# Altium PCB 自控mos驱动V2.0.PcbDoc
Units mil, origin at the board's own origin, x right, y up, seen from the top; angles counter-clockwise.
Board outline 2720 x 4050 mil, 2 copper layers (Top Layer, Bottom Layer); 104 components, 111 nets, 414 pads, 162 vias.
Unrouted connection lines stored in the file: 2.
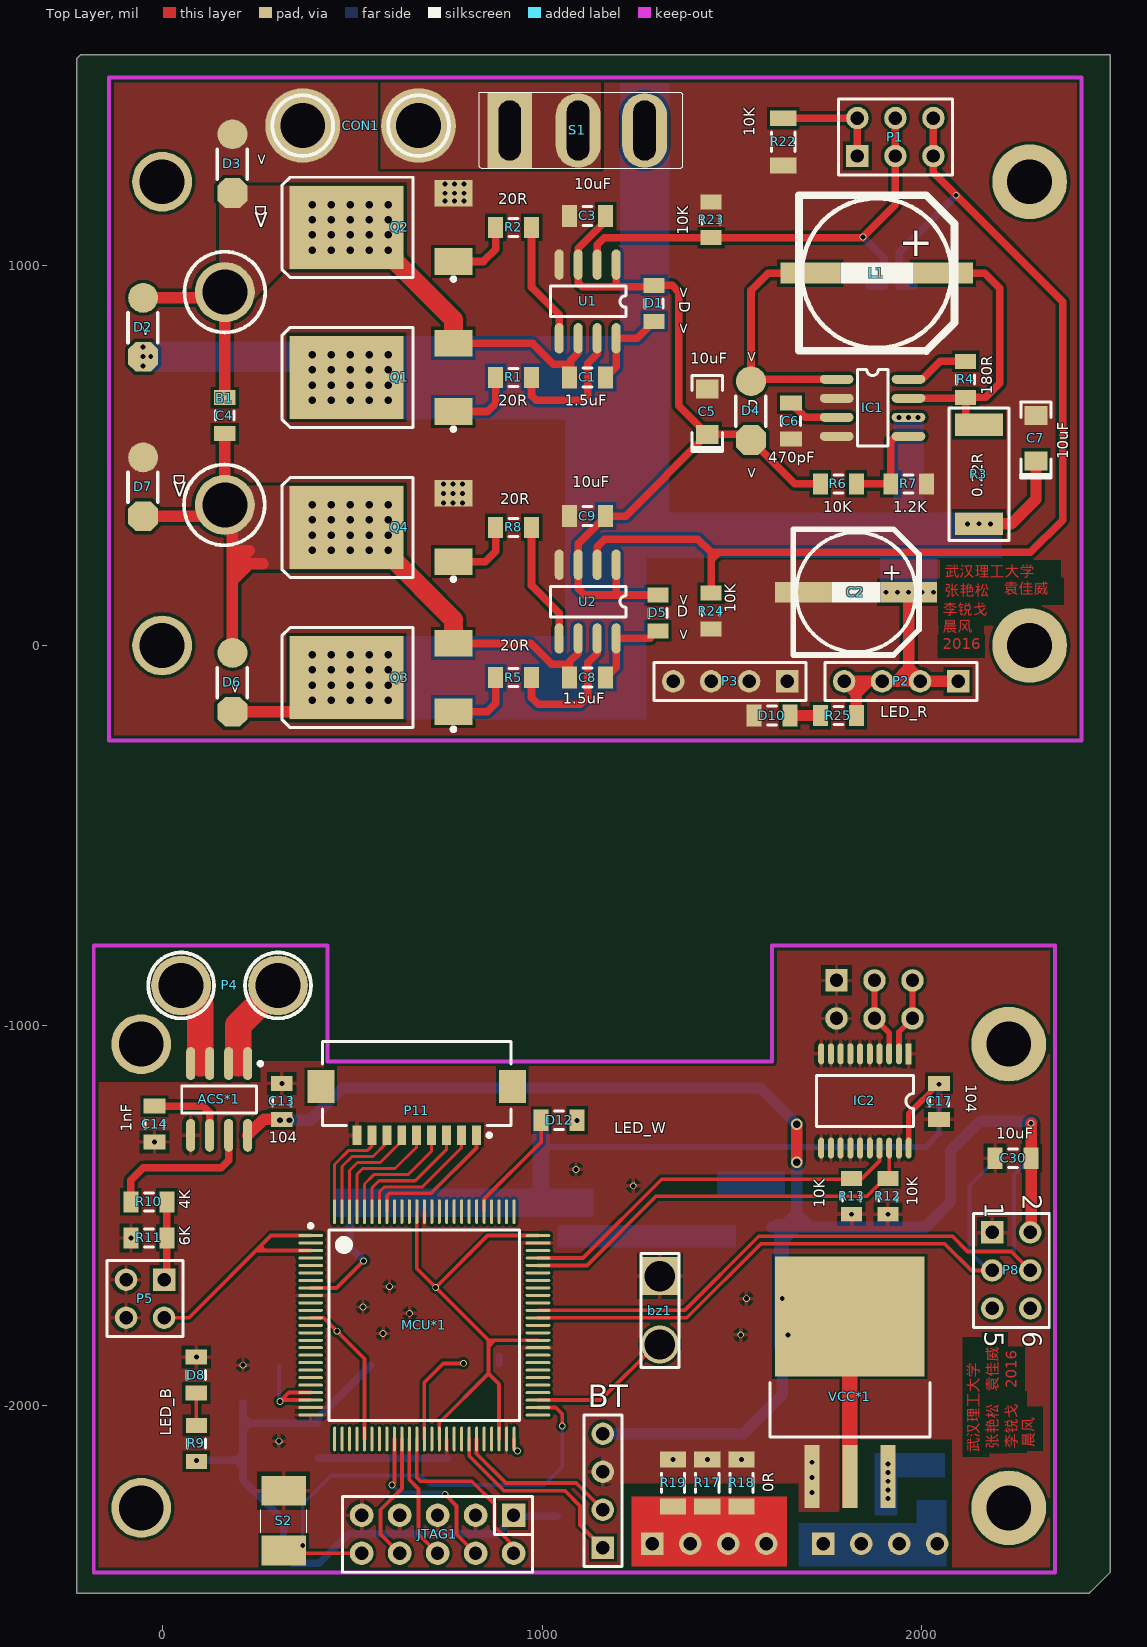
[diagram p0: Top Layer view]
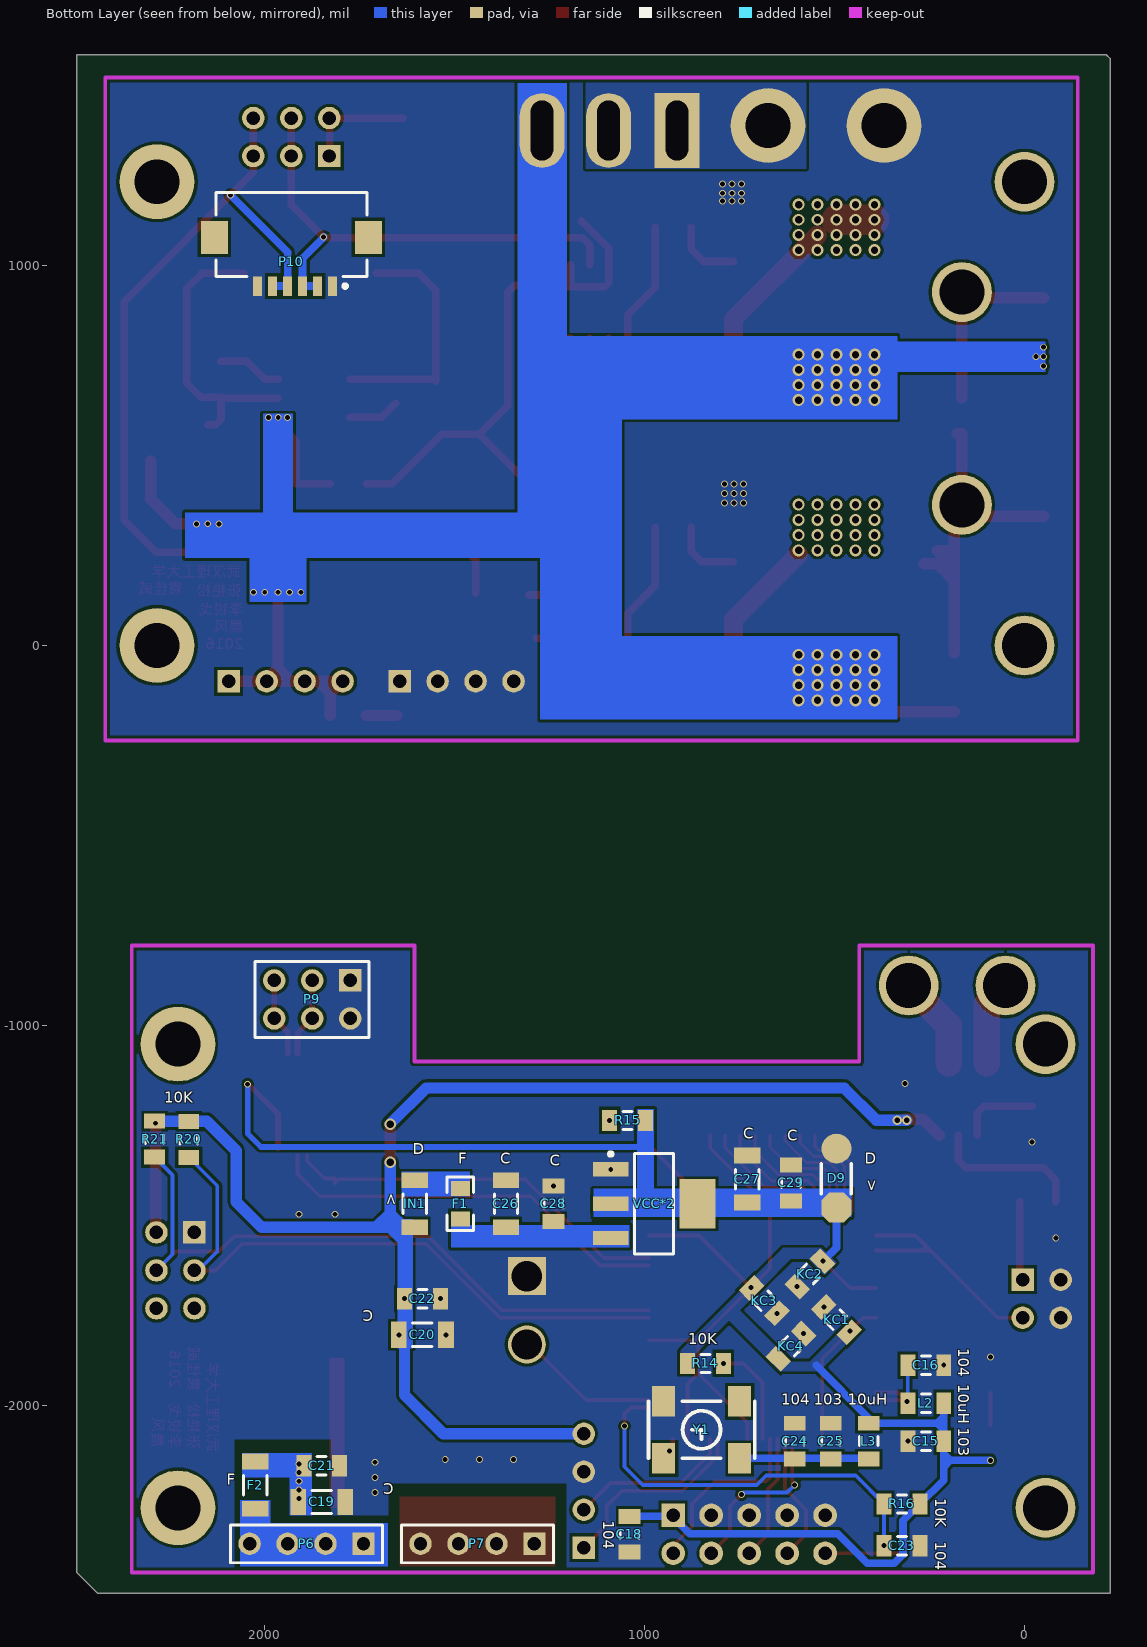
[diagram p1: Bottom Layer view, seen from below]

## Layer stack, top to bottom
Top Layer: signal copper 1.4
Dielectric: dielectric 12.6, FR-4, Dk 4.8
Bottom Layer: signal copper 1.4

## Board outline
-215,1555 -225,1545 -225,-2495 2440,-2495 2450,-2485 2495,-2440 2495,1555

## Design rules (kind name [scope] priority, off if disabled: settings)
Clearance [All] p1: gap=8
PlaneConnect [All] p1: planeconnectstyle=Direct reliefexpansion=20 reliefentries=4 reliefconductorwidth=10 reliefairgap=10
PolygonConnect [All] p1: connectstyle=Direct reliefconductorwidth=10 reliefentries=4 polygonreliefangle="90 Angle" airgapwidth=10
RoutingVias [All] p1: holewidth=28 width=50 viastyle="Through Hole" minholewidth=28 minwidth=50 maxholewidth=28 maxwidth=50
SolderMaskExpansion [All] p1: expansion=4
Width [All] p1: maxlimit=80 minlimit=6 preferedwidth=20 minimp=50.000000 maximp=50.000000 favimp=50.000000
27 further rules are at their usual default settings.

## Classes and differential pairs
component class 自控mosV2.0: B1 C1 C2 C3 C4 C5 C6 C7 C8 C9 CON1 D1 D2 D3 D4 D5 D6 D7 D10 IC1 L1 P1 P2 P3 P10 Q1 Q2 Q3 Q4 R1 R2 R3 R4 R5 R6 R7 R8 R22 R23 R24 R25 S1 U1 U2
component class 主控板加电流检测v2: ACS*1 BT bz1 C13 C14 C15 C16 C17 C18 C19 C20 C21 C22 C23 C24 C25 C26 C27 C28 C29 C30 D8 D9 D12 F1 F2 IC2 IN1 JTAG1 KC1 KC2 KC3 KC4 L2 L3 MCU*1 P4 P5 P6 P7 P8 P9 P11 R9 R10 R11 R12 R13 R14 R15 R16 R17 R18 R19 R20 R21 S2 VCC*1 VCC*2 Y1

## Components (designator, comment, footprint, x,y, rotation, side; value= is the part's Value field where it differs from the comment)
ACS*1 "ACS712 AMPSENSOR" "SOIC1-8N ACS712" 150,-1195 r270 top
B1 "Motor" KF301-2P#1 170,425 r180 top
BT "Header 4" HDR1X4 1160,-2375 r90 top
bz1 "Header 3" HDR1X3 1310,-1650 r270 top
C1 "CAP" C2012 1120,705.47 r0 top
C2 "Cap" SMD-EC-F8 1965,140 r180 top
C3 "Cap Pol1" C2012 1120,1130.47 r180 top
C4 "Cap" C2012 165,605 r270 top
C5 "Cap Pol1" 1206C 1435,615.47 r270 top
C6 "Cap" C2012 1655,590.47 r90 top
C7 "Cap Pol1" 1206C 2300,545.47 r270 top
C8 "Cap" C2012 1120,-84.53 r0 top
C9 "Cap Pol1" C2012 1120,340.47 r180 top
C13 "Cap" C2012 315,-1200 r270 top
C14 "Cap" C2012 -20,-1260 r270 top
C15 "100nF" C2012 260,-2094.53 r180 bottom
C16 "10nF" C2012 260,-1894.53 r0 bottom
C17 "100nF" C2012 2045,-1200 r270 top
C18 "100nF" C2012 1040,-2339.53 r270 bottom
C19 "Cap Pol1" 1206(2) 1850,-2254.53 r180 bottom
C20 "Cap Pol1" 1206(2) 1585,-1814.53 r180 bottom
C21 "Cap" C2012 1850,-2159.53 r0 bottom
C22 "Cap" C2012 1585,-1719.53 r0 bottom
C23 "100nF" C2012 322.76,-2369.53 r0 bottom
C24 "10nF" C2012 605,-2094.53 r270 bottom
C25 "100nF" C2012 510,-2094.53 r270 bottom
C26 "Cap Pol1" 1206(2) 1365,-1469.53 r90 bottom
C27 "Cap Pol1" 1206(2) 730,-1404.53 r90 bottom
C28 "Cap" C2012 1240,-1469.53 r270 bottom
C29 "Cap" C2012 615,-1414.53 r270 bottom
C30 "Cap Pol1" C2012 2240,-1349.53 r180 top
CON1 "PowerIn" KF301-2P#2 525,1368.27 r270 top
D1 "S4" R2012 1295,900.47 r270 top
D2 "SS14" "hole-chip diode" -90,915 r270 top
D3 "SS14" "hole-chip diode" 145,1345.47 r270 top
D4 "SS14" "hole-chip diode" 1510,695.47 r270 top
D5 "S4" R2012 1305,85.47 r270 top
D6 "SS14" "hole-chip diode" 145,-19.53 r270 top
D7 "SS14" "hole-chip diode" -90,495 r270 top
D8 "POWER" C2012 90,-1920.47 r90 top
D9 "1N4729A" "hole-chip diode" 535,-1324.53 r270 bottom
D10 "POWER" C2012 1605,-184.53 r180 top
D12 "POWER" C2012 1045,-1250 r180 top
F1 "300mA" 0805(2012) 1485,-1469.53 r90 bottom
F2 "500mA" 1206(2) 2025,-2210 r90 bottom
IC1 "MC34063" MC34063 1870,625.47 r0 top
IC2 "74LVC245" "74LVC245 TSSOP" 1965,-1075 r270 top
IN1 "1SS355" 1206(2) 1605,-1469.53 r90 bottom
JTAG1 "Header 5X2" IDC5X2 725,-2339.53 r180 top
KC1 "100nF" C2012 495,-1774.53 r225 bottom
KC2 "100nF" C2012 565,-1654.53 r135 bottom
KC3 "100nF" C2012 685,-1724.53 r45 bottom
KC4 "100nF" C2012 615,-1844.53 r315 bottom
L1 "Inductor" SMD-EC-F10 2055,980 r180 top
L2 "Inductor" C2012 260,-1994.53 r0 bottom
L3 "Inductor" C2012 410,-2094.53 r270 bottom
MCU*1 "k60P100" LQFP100 690,-1789.53 r0 top
P1 "Header 3X2" HDR2X3 1830,1288.27 r0 top
P2 "Header 4" HDR1X4 2095,-94.53 r180 top
P3 "Header 4" HDR1X4 1645,-94.53 r180 top
P4 "Header 2" KF301-2P#3 150,-895 r270 top
P5 "Header 2X2" HDR2X2 5,-1669.53 r180 top
P6 "Header 4" HDR1X4 1740,-2364.53 r0 bottom
P7 "Header 4" HDR1X4 1290,-2364.53 r0 bottom
P8 "Header 3X2" HDR2X3 2185,-1545 r270 top
P9 "Header 3X2" HDR2X3 1775,-881.73 r0 bottom
P10 "Header 6" FFC/SM1.0-2H6 1930,1010 r0 bottom
P11 "Header 9" FFC/SM1.0-2H9 670,-1225 r180 top
Q1 "IR7843" LR7843 625,705.47 r0 top
Q2 "IR7843" LR7843 625,1100.47 r0 top
Q3 "IR7843" LR7843 625,-84.53 r0 top
Q4 "IR7843" LR7843 625,310.47 r0 top
R1 "Res2" R2012 925,705.47 r180 top
R2 "Res2" R2012 925,1100.47 r180 top
R3 "Res2" SK54 2150,450.47 r270 top
R4 "Res2" R2012 2115,700.47 r270 top
R5 "Res2" R2012 925,-84.53 r180 top
R6 "Res2" R2012 1780,425.47 r0 top
R7 "Res2" R2012 1965,425.47 r180 top
R8 "Res2" R2012 925,310.47 r180 top
R9 "1K" R2012 90,-2100.47 r270 top
R10 "注意精度" R2012 -35,-1464.53 r0 top
R11 "注意精度" R2012 -35,-1559.53 r0 top
R12 "Res2" R2012 1910,-1450 r270 top
R13 "Res2" R2012 1815,-1450 r270 top
R14 "10K" R2012 840,-1889.53 r180 bottom
R15 "1K" R2012 1045,-1250 r180 bottom
R16 "10K" R2012 322.76,-2259.53 r180 bottom
R17 "Res2" 1206(2) 1435,-2204.53 r90 top
R18 "Res2" 1206(2) 1525,-2204.53 r90 top
R19 "Res2" 1206(2) 1345,-2204.53 r90 top
R20 "Res2" R2012 2200,-1300 r90 bottom
R21 "Res2" R2012 2290,-1299.53 r270 bottom
R22 "Res2" 1206(2) 1635,1325.47 r90 top
R23 "Res2" R2012 1445,1120.47 r270 top
R24 "Res2" R2012 1445,90.47 r90 top
R25 "1K" R2012 1780,-184.53 r0 top
S1 "SW-SPST" SW-125V6A(-) 915,1355.47 r0 top
S2 "SW-PB" "sw 3*4 *2" 260,-2225 r270 top
U1 "IR2104S" IR2104 1120,905.47 r270 top
U2 "IR2104S" IR2104 1120,115.47 r270 top
VCC*1 "LM1086" "DPAK LM2940" 1810,-1939.53 r90 top
VCC*2 "LM1086" lm1117 935,-1454.53 r0 bottom
Y1 "50MHZ" 贴片有源晶体 750,-1989.53 r0 bottom

## Footprints (in the part's own frame and the unit in brackets; to place one, negate y for a bottom-side part, rotate by r counter-clockwise, add the part's x,y. Pads: shape width x height; smd on the part's side, far side on the other; paste and mask are expansions set on the pad)
"74LVC245 TSSOP" [mm]
  rect 1.4x0.4 smd: 1(0,0)
  oval 1.4x0.4 smd: 2(0,-0.65) 3(0,-1.3) 4(0,-1.95) 5(0,-2.6) 6(0,-3.25) 7(0,-3.9) 8(0,-4.55) 9(0,-5.2) 10(0,-5.85) 11(6.3,-5.85) 12(6.3,-5.2) 13(6.3,-4.55) 14(6.3,-3.9) 15(6.3,-3.25) 16(6.3,-2.6) 17(6.3,-1.95) 18(6.3,-1.3) 19(6.3,-0.65) 20(6.3,0)
  silkscreen extent 1.43,-6.18 4.87,0.33
0805(2012) [mil]
  rect 40x50 smd: 1(-40,0) 2(40,0)
  silkscreen extent -70,-35 70,35
1206(2) [mm]
  rect 1.05x1.75 smd: 1(-1.575,0) 2(1.575,0)
  silkscreen extent -0.65,-0.77 0.65,0.77, body extent -1.6,-0.8 1.6,0.8, height 1.6
1206C [mil]
  rect 50x60 smd: 1(60,0) 2(-60,0)
  silkscreen extent -95,-40 105,40
C2012 [mm] "Chip Capacitor, 2-Leads, Body 2.0x1.2mm, IPC Low Density"
  rect 1x1.45 smd: 1(-1.2,0) 2(1.2,0)
  silkscreen extent -0.3,-0.63 0.3,0.63, body extent -0.98,-0.6 1.02,0.6, height 0.5
"DPAK LM2940" [mm] "D2-PAK, 4-Pads, Body 7.93x8.69mm (max), IPC Medium Density"
  rect 4.2x1 smd: 1(-6.3,2.54) 2(-6.3,0) 3(-6.3,-2.54)
  rect 8x10 smd: 4(4.4,0)
  silkscreen extent -3.65,-5.35 0,5.35, body extent -3.65,-5.33 6,5.33, height 4.83
FFC/SM1.0-2H6 [mm] "Connector; FH12 Series; 6 Position; 1.0mm Spaced Bottom Eccentric Contact"
  rect 0.6x1.3 smd: 1(-2.75,1.625) 2(-1.75,1.625) 3(-0.75,1.625) 4(0.25,1.625) 5(1.25,1.625) 6(2.25,1.625)
  rect 1.8x2.2 smd: 7(5.15,-1.625) 8(-5.15,-1.625)
  silkscreen extent -5.05,-4.62 5.05,1.75, body extent -5.05,-4.62 5.05,0.97, height 2
FFC/SM1.0-2H9 [mm] "Connector; FH12 Series; 9 Position; 1.0mm Spaced Bottom Standard Contact"
  rect 0.6x1.3 smd: 1(-4,1.625) 2(-3,1.625) 3(-2,1.625) 4(-1,1.625) 5(0,1.625) 6(1,1.625) 7(2,1.625) 8(3,1.625) 9(4,1.625)
  rect 1.8x2.2 smd: 10(6.4,-1.625) 11(-6.4,-1.625)
  silkscreen extent -6.3,-4.62 6.3,1.75, body extent -6.3,-4.62 6.3,0.97, height 2
HDR1X3 [mil] "Connector; Header; 3 Position"
  rect 100x100 hole 80: 1(10,0)
  round 100 hole 80: 3(190,0)
  silkscreen extent -50,-50 250,50
HDR1X4 [mm] "Connector; Header; 4 Position"
  rect 1.5x1.5 hole 0.9: 1(0,0)
  round 1.5 hole 0.9: 2(2.54,0) 3(5.08,0) 4(7.62,0)
  silkscreen extent -1.27,-1.27 8.89,1.27, body extent -1.27,-1.27 8.89,1.27, height 7.58
HDR2X2 [mm] "Connector; Header; 2x2 Position"
  rect 1.5x1.5 hole 0.9: 1(0,0)
  round 1.5 hole 0.9: 2(0,2.54) 3(2.54,0) 4(2.54,2.54)
  silkscreen extent -1.27,-1.27 3.81,3.81, body extent -1.27,-1.27 3.81,3.81, height 7.58
HDR2X3 [mm] "Connector; Header; 3x2 Position"
  rect 1.5x1.5 hole 0.9: 1(0,0)
  round 1.5 hole 0.9: 2(0,2.54) 3(2.54,0) 4(2.54,2.54) 5(5.08,0) 6(5.08,2.54)
  silkscreen extent -1.27,-1.27 6.35,3.81
"hole-chip diode" [mm]
  round 2 smd: 1(0,1.016)
  oct 2x2 smd: 2(3.937,1.016)
  silkscreen extent 1,0 3,2
IDC5X2 [mil]
  rect 62x62 hole 35: 1(-200,-50)
  round 62 hole 35: 2(-200,50) 3(-100,-50) 4(-100,50) 5(0,-50) 6(0,50) 7(100,-50) 8(100,50) 9(200,-50) 10(200,50)
  silkscreen extent -250,-100 250,100
IR2104 [mil]
  oval 80x23.62 smd: 1(-97,75) 2(-97,25) 3(-97,-25) 4(-97,-75) 5(97,-75) 6(97,-25) 7(97,25) 8(97,75)
  silkscreen extent -40,-98 40,100
KF301-2P#1 [mm]
  round 4 hole 3: 1(0.127,-12.827) 2(0.127,1.397)
  silkscreen extent -2.57,-15.53 2.86,4.1
KF301-2P#2 [mm]
  round 5 hole 3: 1(0,-3.937) 2(0,3.81)
  silkscreen extent -2.03,-5.97 2.03,5.84
KF301-2P#3 [mm]
  round 4 hole 3: 1(0,-2.54) 2(0,3.937)
  silkscreen extent -2.2,-4.74 2.2,6.14
lm1117 [mm]
  rect 2.4x0.95 smd: 1(3.916,-1.919) 2(3.916,0.381) 3(3.916,2.681)
  rect 2.4x3.3 smd: 4(-1.884,0.381)
  silkscreen extent -0.28,-3.07 4.04,3.73, body extent -0.83,-2.97 2.87,3.73, height 1.8
LQFP100 [mm] "SQFP, 100-Leads, Body 14.00x14.00mm, Pitch 0.50mm, IPC Medium Density"
  oval 1.65x0.2 smd: 1(-7.6,6) 2(-7.6,5.5) 3(-7.6,5) 4(-7.6,4.5) 5(-7.6,4) 6(-7.6,3.5) 7(-7.6,3) 8(-7.6,2.5) 9(-7.6,2) 10(-7.6,1.5) 11(-7.6,1) 12(-7.6,0.5) 13(-7.6,0) 14(-7.6,-0.5) 15(-7.6,-1) 16(-7.6,-1.5) 17(-7.6,-2) 18(-7.6,-2.5) 19(-7.6,-3) 20(-7.6,-3.5) 21(-7.6,-4) 22(-7.6,-4.5) 23(-7.6,-5) 24(-7.6,-5.5) 25(-7.6,-6) 51(7.6,-6) 52(7.6,-5.5) 53(7.6,-5) 54(7.6,-4.5) 55(7.6,-4) 56(7.6,-3.5) 57(7.6,-3) 58(7.6,-2.5) 59(7.6,-2) 60(7.6,-1.5) 61(7.6,-1) 62(7.6,-0.5) 63(7.6,0) 64(7.6,0.5) 65(7.6,1) 66(7.6,1.5) 67(7.6,2) 68(7.6,2.5) 69(7.6,3) 70(7.6,3.5) 71(7.6,4) 72(7.6,4.5) 73(7.6,5) 74(7.6,5.5) 75(7.6,6)
  oval 0.2x1.65 smd: 26(-6,-7.6) 27(-5.5,-7.6) 28(-5,-7.6) 29(-4.5,-7.6) 30(-4,-7.6) 31(-3.5,-7.6) 32(-3,-7.6) 33(-2.5,-7.6) 34(-2,-7.6) 35(-1.5,-7.6) 36(-1,-7.6) 37(-0.5,-7.6) 38(0,-7.6) 39(0.5,-7.6) 40(1,-7.6) 41(1.5,-7.6) 42(2,-7.6) 43(2.5,-7.6) 44(3,-7.6) 45(3.5,-7.6) 46(4,-7.6) 47(4.5,-7.6) 48(5,-7.6) 49(5.5,-7.6) 50(6,-7.6) 76(6,7.6) 77(5.5,7.6) 78(5,7.6) 79(4.5,7.6) 80(4,7.6) 81(3.5,7.6) 82(3,7.6) 83(2.5,7.6) 84(2,7.6) 85(1.5,7.6) 86(1,7.6) 87(0.5,7.6) 88(0,7.6) 89(-0.5,7.6) 90(-1,7.6) 91(-1.5,7.6) 92(-2,7.6) 93(-2.5,7.6) 94(-3,7.6) 95(-3.5,7.6) 96(-4,7.6) 97(-4.5,7.6) 98(-5,7.6) 99(-5.5,7.6) 100(-6,7.6)
  silkscreen extent -7.72,-6.38 6.38,6.77, body extent -7,-7 7,7, height 1.7
LR7843 [mm]
  rect 2.54x1.778 smd: 1(3.6,-2.28) 3(3.6,2.28)
  rect 7.6x5.55 smd: 2(-3.556,0)
  silkscreen extent -7.87,-3.58 3.73,3.35
MC34063 [mm]
  oval 2.25x0.6 smd: 1(-2.4,1.905) 2(-2.4,0.635) 3(-2.4,-0.635) 4(-2.4,-1.905) 5(2.4,-1.905) 6(2.4,-0.635) 7(2.4,0.635) 8(2.4,1.905)
  silkscreen extent -1.02,-2.55 1.02,2.55
R2012 [mm] "Chip Resistor, 2-Leads, Body 2.0x1.2mm, IPC Low Density"
  rect 1x1.4 smd: 1(-1.2,0) 2(1.2,0)
  silkscreen extent -0.3,-0.6 0.3,0.6, body extent -0.98,-0.6 1.02,0.6, height 0.5
SK54 [mm]
  rect 1.52x3.18 smd: A(-3.305,0) K(3.305,0)
  silkscreen extent -4.43,-2 4.43,2.01
SMD-EC-F8 [mm]
  rect 3.8x1.4 smd: 1(0,0) 2(7.051,0)
  silkscreen extent -0.69,-4.22 7.71,4.2
SMD-EC-F10 [mm]
  rect 4x1.4 smd: 1(0,0) 2(8.86,0)
  silkscreen extent -0.78,-5.2 9.62,5.2
"SOIC1-8N ACS712" [mm]
  oval 2.2x0.6 smd: 1(-2.4,1.905) 2(-2.4,0.635) 3(-2.4,-0.635) 4(-2.4,-1.905) 5(2.4,-1.905) 6(2.4,-0.635) 7(2.4,0.635) 8(2.4,1.905)
  silkscreen extent -2.52,-2.5 0.9,2.88, body extent -2,-2.5 2,2.5, height 1.75
"sw 3*4 *2" [mm]
  rect 2x3 smd: 1(0,1.524) 2(4,1.524)
  silkscreen extent 1.27,0 2.79,3.05
SW-125V6A(-) [mm]
  rect 3x5 hole 1.5 slot 4 at 90 deg: 0(0,0)
  oval 3x5 hole 1.5 slot 4 at 90 deg: 1(4.572,0) 2(9.017,0)
  silkscreen extent -2.03,-2.54 11.56,2.54
贴片有源晶体 [mil]
  rect 60x80 smd: 1(0,0) 2(200,0) 3(200,150) 4(0,150)
  silkscreen extent -40,0 240,150, body extent -37,-23 238,173, height 74

## Part data
B1: library part "Motor Servo", "Servo Motor"
BT P2 P3 P6 P7: "Header, 4-Pin"
bz1: "Header, 3-Pin"
C1 C15 C16 C17 C18 C23 C24 C25 KC1 KC2 KC3 KC4: library part Cap, "Capacitor"
C2: library part CAP+
C3 C5 C7 C9 C19 C20 C26 C27 C30: "Polarized Capacitor (Radial)"
C4 C6 C8 C13 C14: "Capacitor"
C21 C22 C28 C29: "贴片电容"
CON1: library part "Header 2", "Header, 2-Pin"
D1 D2 D3 D4 D5 D6 D7: library part "Diode 1N4007", "1 Amp General Purpose Rectifier"
D8 D10 D12: library part LED, "Typical INFRARED GaAs LED"
D9 IN1: library part "Diode 1N4148", "High Conductance Fast Diode"
F1 F2: library part "Fuse 1", "Fuse"
JTAG1: "Header, 5-Pin, Dual row"
P1 P8 P9: "Header, 3-Pin, Dual row"
P4: "Header, 2-Pin"
P5: "Header, 2-Pin, Dual row"
P10: "Header, 6-Pin"
P11: "Header, 9-Pin"
Q1 Q2 Q3 Q4: library part NMOS-2, "N-Channel Power MOSFET"
R1 R2 R3 R4 R5 R6 R7 R8 R12 R13 R17 R18 R19 R20 R21 R22 R23 R24: "Resistor"
R9 R14 R15 R25: library part Res, "Resistor of led"
R10 R11: library part Res2, "Resistor"
R16: library part Res, "Resistor"
S1: "Single-Pole, Single-Throw Switch"
S2: "Switch"
U1 U2: library part Component_1_1
Y1: library part XTAL1

## Free pads (board coordinates)
  round 157.48 hole 118.11: ""(-55,-2270) ""(-55,-1049.53) ""(0,0) ""(0,1220.47)
  round 196.85 hole 118.11: ""(2228.46,-2270) ""(2228.46,-1049.53) ""(2283.46,0) ""(2283.46,1220.47)

## Via types
v1: diameter 31.5, hole 19.68, Top Layer to Bottom Layer, 80 vias
v2: diameter 18, hole 13, Top Layer to Bottom Layer, 78 vias
v3: diameter 25, hole 15, Top Layer to Bottom Layer, 2 vias
v4: diameter 30, hole 20, Top Layer to Bottom Layer, 2 vias

## Nets (pads, with @x,y where several pads share a name; then routed paths per layer and width w, separated by ;. In a path a pad name is that pad's centre, name@x,y a point inside that pad or via, vN(x,y) a via of type N, cw(c..) or ccw(c..) an arc to the next point about the centre after c; other vN are vias at no path point)
5V: ACS*1.8 BT.4 C13.2 C20.1 C22.2 C30.1 IN1.1 P8.2 R20.2 R21.1 VCC*1.2 VCC*1.4 | length 3908.8
  Top Layer w30: ACS*1.8 267.24,-1247.24 C13.2 ; v4(1670,-1360) v4(1670,-1260) ; P8.2@2287.24,-1542.76 C30.1 v2(2287.24,-1257.76)
  Bottom Layer w30: v3(310,-1250) v3(335,-1250) 390,-1250 475,-1165 1575,-1165 v4(1670,-1260) ; BT.4 1530,-2075 1632.24,-1972.76 v2(1632.24,-1719.53) ; IN1.1 IN1.1@1633.46,-1531.54 ; 1626.54,-1575 1670,-1531.54 ; v4(1670,-1360) 1670,-1495 ; 1705,-1530 1670,-1495 ; R21.1 2152.72,-1252.28 2075,-1330 2075,-1465 2008.46,-1531.54 1670,-1531.54 ; IN1.1@1633.46,-1531.54 1670,-1531.54 ; IN1.1@1633.46,-1531.54 1670,-1495 ; 1670,-1531.54 1670,-1495
  other v2: 1647.01,-1814.53
12V: C3.1 C5.1 C9.1 D1.1 D4.2 D5.1 R6.1 U1.1 U1.3 U2.1 U2.3 | length 2154.5
  Top Layer w20: C3.1@1167.24,1117.24 1095,1045 U1.3 1095,955 1105.53,944.47 1195,944.47 ; 1195,137.72 U2.1 ; U1.1 1195,944.47 ; D5.1 1112.28,132.72 1095,150 U2.3 1095,268.23 C9.1 1220,340.47 C5.1 ; R6.1 1665,425.47 D4.2 1535,555.47 C5.1 ; 1195,944.47 1291.76,944.47 D1.1 1342.28,947.72 1360,930 1360,630.47 C5.1
EGND: C2.2 C3.2 C5.2 C6.1 C7.2 C9.2 CON1.1 D3.1 D7.1 D10.2 IC1.2 IC1.4 P3.1 P3.2 P3.3 P3.4 P7.1 P7.2 P7.3 P7.4 P10.1 P10.6 Q2.3 Q4.3 R7.1 R17.1 R18.1 R19.1 R22.1 R23.1 R24.1 U1.4 U2.4
  other v2: 740,375 765,375 790,375 740,400 765,400 790,400 740,425 765,425 790,425 745,1170 770,1170 795,1170 745,1190.24 770,1190.24 795,1190.24 745,1215 770,1215 795,1215
GND: ACS*1.5 BT.3 bz1.1 C13.1 C14.2 C15.1 C16.1 C17.2 C18.2 C19.2 C20.2 C21.1 C22.1 C23.1 C24.1 C25.1 C26.2 C27.2 C28.1 C29.1 C30.2 D8.2 D9.1 IC2.1 IC2.4 IC2.5 IC2.6 IC2.7 IC2.8 IC2.9 IC2.10 IC2.11 IC2.12 IC2.13 IC2.14 IC2.15 IC2.16 IC2.19 JTAG1.3 JTAG1.5 JTAG1.7 JTAG1.9 KC1.1 KC2.1 KC3.1 KC4.1 MCU*1.9 MCU*1.24 MCU*1.25 MCU*1.41 MCU*1.49 MCU*1.60 MCU*1.74 MCU*1.88 P5.3 P5.4 P8.1 P9.1 P9.2 P11.9 R11.1 R12.2 R13.2 R17.2 R18.2 R19.2 S2.1 VCC*1.1 VCC*2.1 Y1.2
  other v2: 1710,-2230 1710,-2190 1710,-2150 1345,-2142.52 1435,-2142.52 1525,-2142.52 307.24,-2094.53 212.76,-1894.53 90,-1873.23 1522.99,-1814.53 581.59,-1811.12 651.59,-1757.93 528.41,-1741.12 1537.76,-1719.53 598.41,-1687.93 -82.24,-1559.53 1815,-1497.24 1910,-1497.24 1240,-1422.28 1089.17,-1378.98 -20,-1307.24 315,-1152.76
IN3: ACS*1.1 ACS*1.2 P4.2 | length 248.5
  Top Layer w70: 200,-1100 200,-1000 P4.2
IN4: ACS*1.3 ACS*1.4 P4.1 | length 225.7
  Top Layer w70: P4.1 100,-945 100,-1100
K3.3V: C15.2 C17.1 C18.1 C27.1 C29.2 D9.2 IC2.20 JTAG1.1 KC1.2 KC2.2 KC3.2 KC4.2 L2.1 L3.1 MCU*1.8 MCU*1.12 MCU*1.30 MCU*1.40 MCU*1.48 MCU*1.61 MCU*1.75 MCU*1.89 R9.2 R14.1 R15.2 R16.2 VCC*2.2 VCC*2.4 | length 5356
  Top Layer w10: MCU*1.12 424.84,-1769.84 v2(460,-1805) 532.52,-1877.52 MCU*1.30 ; MCU*1.8 458.9,-1691.1 v2(530,-1620) ; MCU*1.89 670.32,-1640.32 v2(720,-1690) ; MCU*1.40 729.37,-2046.01 858.9,-1916.48 ; MCU*1.48 886.85,-1944.43 858.9,-1916.48 ; MCU*1.61 875,-1828.9 ; MCU*1.75 856.69,-1553.31 v2(720,-1690) ; v2(720,-1690) 858.9,-1828.9 ; 858.9,-1916.48 858.9,-1845 ; 858.9,-1845 875,-1828.9 ; 858.9,-1845 858.9,-1828.9 ; 858.9,-1828.9 875,-1828.9
  Top Layer w15: IC2.20 1965,-1232.76 C17.1
  Bottom Layer w15: 1005,-1320 2010,-1320 2045,-1285 v2(2045,-1155)
  Bottom Layer w20: v2(90,-2145) 195,-2145 ; L2.1 212.76,-2030.04 ; 215.04,-2047.28 230,-2047.28 ; L3.1 230,-2047.28 ; L3.1@410,-2033.66 548.66,-1895 ; D9.2 495,-1585 v2(530,-1620) ; R14.1 R14.1@887.24,-1872.24 ; C18.1 927.72,-2292.28 881.47,-2338.53 491.47,-2338.53 413.93,-2416.07 342.86,-2416.07 320,-2393.21 320,-2304.02 R16.2 212.76,-2196.77 212.76,-2162.76 ; 195,-2145 212.76,-2162.76 ; 195,-2145 212.76,-2145 ; 195,-2145 212.76,-2127.24 ; 212.76,-2162.76 212.76,-2145 ; 212.76,-2145 212.76,-2127.24 ; 212.76,-2127.24 C15.2 212.76,-2064.53 ; 212.76,-2064.53 230,-2047.28 ; 212.76,-2064.53 212.76,-2030.04 ; 212.76,-2030.04 230,-2047.28
MOTTO_IN1: IC2.2 P9.5 P9.6 | length 208
  Top Layer w15: IC2.2 1939.41,-1017.32 P9.6 P9.5
MOTTO_IN2: IC2.3 P9.3 P9.4 | length 209.3
  Top Layer w15: P9.3 P9.4 1913.82,-1020.55 IC2.3
NetACS*1_6: ACS*1.6 C14.1 | length 211.6
  Top Layer w20: C14.1 107.76,-1212.76 125,-1230 ACS*1.6
NetACS*1_7: ACS*1.7 R10.1 | length 401.7
  Top Layer w20: R10.1 -82.24,-1407.24 -50,-1375 155,-1375 175,-1355 ACS*1.7
NetC1_2: C1.2 D1.2 U1.8 | length 233
  Top Layer w20: C1.2 1195,733.23 U1.8 1250.24,808.47 D1.2
NetC6_2: C6.2 IC1.3 | length 135.9
  Top Layer w20: C6.2 1692.24,600.47 IC1.3
NetC8_2: C8.2 D5.2 U2.8 | length 204.7
  Top Layer w20: C8.2 1195,-56.77 U2.8 1285.24,18.47
NetC16_2: C16.2 L2.2 MCU*1.22 MCU*1.23 | length 260.3
  Top Layer w10: v2(310,-1990) v2@313.62,-1986.38 ; MCU*1.23 v2@313.62,-1986.38 ; MCU*1.22 333.31,-1966.69 v2@313.62,-1986.38
  Bottom Layer w10: L2.2@307.24,-1987.24 C16.2
NetC19_1: C19.1 C21.2 F2.2 VCC*1.3
  other v2: 1910,-2245 1910,-2222.5 1910,-2200 1910,-2177.5 1910,-2155
NetC24_2: C24.2 C25.2 L3.2 Y1.4 | length 337.8
  Bottom Layer w20: L3.2@412.24,-2139.53 Y1.4
NetC26_1: C26.1 C28.2 F1.1 VCC*2.3
NetD4_1: D4.1 IC1.1 L1.2 | length 634.9
  Top Layer w20: D4.1 1550,935 1595,980 L1.2 ; D4.1@1555,700.47 IC1.1
NetD8_1: D8.1 R9.1 | length 85.5
  Top Layer w10: R9.1 D8.1
NetD10_1: D10.1 R25.1 | length 80.5
  Top Layer w30: D10.1 R25.1
NetD12_1: D12.1 R15.1
  other v2: 1092.24,-1250
NetF1_2: F1.2 IN1.2
NetIC1_5: IC1.5 R6.2 R7.2 | length 221.4
  Top Layer w20: R6.2 R7.2 1917.76,537.76 IC1.5@1930.47,550.47 ; IC1.5 IC1.5@1964.96,550
NetIC1_7: IC1.7 L1.1 R3.A R4.2 | length 768.8
  Top Layer w20: IC1.7 R4.2@2112.24,650.47 ; L1.1 2165,980 2205,940 2205,690 2168.23,653.23 R4.2 2115,595 2129.41,580.59 R3.A
NetIC1_8: IC1.8 R4.1 | length 170.1
  Top Layer w20: IC1.8 2000.47,700.47 2047.72,747.72 R4.1
NetP1_1: P1.1 P1.2 R22.2 | length 293.8
  Top Layer w20: R22.2 1829.21,1387.48 1829.21,1289.06 P1.1
NetP5_1: P5.1 R10.2 R11.2 | length 208
  Top Layer w20: P5.1 12.24,-1662.28 R11.2 R10.2
NetQ1_1: Q1.1 R1.2 | length 187.9
  Top Layer w20: Q1.1 855.71,615.71 877.76,637.76 R1.2
NetQ2_1: Q2.1 R2.2 | length 182
  Top Layer w20: Q2.1 845.71,1010.71 877.76,1042.76 R2.2
NetQ3_1: Q3.1 R5.2 | length 187.9
  Top Layer w20: Q3.1 855.71,-174.29 877.76,-152.24 R5.2
NetQ4_1: Q4.1 R8.2 | length 184.9
  Top Layer w20: Q4.1 850.71,220.71 877.76,247.76 R8.2
NetR1_1: R1.1 U1.7 | length 365.8
  Top Layer w20: R1.1 972.24,657.76 985,645 1105,645 1120,660 1120,742.46 1145,767.46 U1.7
NetR2_1: R2.1 U1.5 | length 322.1
  Top Layer w20: R2.1 972.24,942.76 1045,870 U1.5
NetR5_1: R5.1 U2.7 | length 379.9
  Top Layer w20: R5.1 972.24,-137.24 990,-155 1100,-155 1120,-135 1120,-45 1145,-20 U2.7
NetR8_1: R8.1 U2.5 | length 322.1
  Top Layer w20: R8.1 972.24,157.76 1045,85 U2.5
OUT1: B1.1 C1.1 C4.1 D2.1 D3.2 Q1.3 Q2.2 U1.6 | length 1456.7
  Top Layer w20: Q1.3 974.76,795.24 1030,740 1070,740 1072.76,737.24 C1.1 1075,707.72 1075,750 1095,770 U1.6
  Top Layer w30: D2.1 B1.1@150,915 ; C4.1 B1.1
  Top Layer w50: Q2.2@545,1080 766.73,858.27 Q1.3
  Top Layer w80: B1.1 B1.1@185,950 ; v1(395,1120.47) v1(445,1120.47) v1(495,1120.47)
  other v1: 395,1040.47 445,1040.47 495,1040.47 545,1040.47 595,1040.47 395,1080.47 445,1080.47 495,1080.47 545,1080.47 595,1080.47 545,1120.47 595,1120.47 395,1160.47 445,1160.47 495,1160.47 545,1160.47 595,1160.47
OUT2: B1.2 C4.2 C8.1 D6.1 D7.2 Q3.3 Q4.2 U2.6 | length 1736.1
  Top Layer w20: Q3.3 969.76,5.24 1025,-50 1072.76,-50 C8.1 ; 1072.76,-42.24 1095,-20 U2.6
  Top Layer w30: D7.2 B1.2@135,340 ; B1.2 C4.2 C4.2@177.24,557.76 ; D6.1 185,170 ; B1.2@185,350 185,250 ; 265,215 230,215 220,205 ; 185,170 185,205 ; 185,170 220,205 ; 185,205 230,250 185,250 ; 185,205 220,205 ; 185,205 185,250
  Top Layer w50: Q4.2@595,240 766.73,68.27 Q3.3
  other v1: 395,250.47 445,250.47 495,250.47 545,250.47 595,250.47 395,290.47 445,290.47 495,290.47 545,290.47 595,290.47 395,330.47 445,330.47 495,330.47 545,330.47 595,330.47 395,370.47 445,370.47 495,370.47 545,370.47 595,370.47
PTA0: JTAG1.4 MCU*1.34 | length 461.9
  Top Layer w10: v2(605,-2210) 611.26,-2203.74 MCU*1.34 ; v2(745,-2235) 775,-2265 775,-2339.53 JTAG1.4
  Bottom Layer w10: v2(605,-2210) 625,-2230 740,-2230 v2(745,-2235)
PTA1: JTAG1.8 MCU*1.35 | length 344.7
  Top Layer w10: JTAG1.8 575,-2339.53 575,-2275 630.94,-2219.06 MCU*1.35
PTA2: JTAG1.6 MCU*1.36 | length 331.6
  Top Layer w10: MCU*1.36 650.63,-2196.09 675,-2220.46 675,-2339.53 JTAG1.6
PTA3: JTAG1.2 MCU*1.37 | length 485.4
  Top Layer w10: MCU*1.37 670.32,-2190.32 680,-2200 815,-2200 875,-2260 875,-2319.91 925,-2369.91 JTAG1.2
PTA4: MCU*1.38 R14.2 | length 269.5
  Top Layer w10: MCU*1.38 690,-1940 740,-1890 v2@790,-1890
  other v2: 792.76,-1889.53
PTA5: MCU*1.39
PTA12: MCU*1.42
PTA13: MCU*1.43
PTA14: BT.1 MCU*1.44 | length 526
  Top Layer w10: MCU*1.44 808.11,-2133.57 899.54,-2225 1060,-2225 1100,-2265 1100,-2315 BT.1
PTA15: BT.2 MCU*1.45 | length 432.2
  Top Layer w10: MCU*1.45 827.8,-2127.8 905,-2205 1090,-2205 BT.2
PTA16: MCU*1.46
PTA17: MCU*1.47
PTA18: MCU*1.50 Y1.3 | length 34.9
  Top Layer w11: MCU*1.50 926.22,-2111.22 v2(935,-2120)
PTA19: MCU*1.51
PTB0: bz1.3 MCU*1.53 | length 385.6
  Top Layer w10: MCU*1.53 1153.62,-1986.38 bz1.3@1310,-1830
PTB1: MCU*1.54
PTB2: MCU*1.55
PTB3: MCU*1.56
PTB9: MCU*1.57
PTB10: MCU*1.58
PTB11: MCU*1.59
PTB16: MCU*1.62
PTB17: MCU*1.63
PTB18: MCU*1.64 P8.3 R20.1 | length 1665.3
  Top Layer w10: MCU*1.64 1380.93,-1769.84 1576.09,-1574.69 2059.69,-1574.69 2130,-1645 P8.3
  Bottom Layer w10: P8.3 2175,-1645 2125,-1595 2125,-1422.24 R20.1
PTB19: MCU*1.65 P8.4 R21.2 | length 1749.4
  Top Layer w10: MCU*1.65 1375.16,-1750.16 1570.32,-1555 2080,-1555 2120,-1595 2235,-1595 P8.4
  Bottom Layer w10: P8.4 2242.47,-1602.47 2242.47,-1394.3 R21.2
PTB20: MCU*1.66
PTB21: MCU*1.67
PTB22: MCU*1.68
PTB23: MCU*1.69
PTC0: MCU*1.70
PTC1: IC2.18 MCU*1.71 R12.1 | length 1073
  Top Layer w10: MCU*1.71 1117.95,-1632.05 1300,-1450 1855,-1450 1913.82,-1391.18 IC2.18@1913.82,-1342.56
PTC2: IC2.17 MCU*1.72 R13.1 | length 1034.6
  Top Layer w10: MCU*1.72 1107.64,-1612.36 1315,-1405 1805,-1405 1815,-1415 R13.1 1842.24,-1402.76 1888.23,-1356.77 IC2.17@1888.23,-1342.56
PTC3: MCU*1.73
PTC4: MCU*1.76
PTC5: MCU*1.77
PTC6: MCU*1.78
PTC7: MCU*1.79
PTC8: D12.2 MCU*1.80 | length 302.6
  Top Layer w10: MCU*1.80 847.48,-1457.5 997.76,-1307.23 D12.2
PTC9: MCU*1.81
PTC10: MCU*1.82
PTC11: MCU*1.83
PTC12: MCU*1.84
PTC13: MCU*1.85
PTC14: MCU*1.86
PTC15: MCU*1.87
PTC16: MCU*1.90
PTC17: MCU*1.91
PTC18: MCU*1.92
PTD0: MCU*1.93 P11.1 | length 363.5
  Top Layer w10: MCU*1.93 591.57,-1448.43 598,-1442 708,-1442 827.48,-1322.52 P11.1
PTD1: MCU*1.94 P11.2 | length 349.5
  Top Layer w8: MCU*1.94 571.89,-1438.11 585,-1425 685,-1425 788.11,-1321.89 P11.2
PTD2: MCU*1.95 P11.3 | length 338.4
  Top Layer w8: MCU*1.95 552.2,-1427.8 571,-1409 666,-1409 748.74,-1326.26 P11.3
PTD3: MCU*1.96 P11.4 | length 327.3
  Top Layer w8: MCU*1.96 532.52,-1417.48 557,-1393 647,-1393 709.37,-1330.63 P11.4
PTD4: MCU*1.97 P11.5 | length 316.2
  Top Layer w8: MCU*1.97 512.83,-1392.17 528,-1377 613,-1377 670,-1320 P11.5
PTD5: MCU*1.98 P11.6 | length 293.4
  Top Layer w8: MCU*1.98 493.15,-1381.85 514,-1361 574,-1361 630.63,-1304.37 P11.6
PTD6: MCU*1.99 P11.7 | length 282.3
  Top Layer w8: MCU*1.99 473.46,-1371.54 500,-1345 555,-1345 591.26,-1308.74 P11.7
PTD7: MCU*1.100 P11.8 | length 271.3
  Top Layer w8: MCU*1.100 453.78,-1366.22 491,-1329 541,-1329 551.89,-1318.11 P11.8
PTE0: MCU*1.1 MCU*1.3 P5.2 | length 630.5
  Top Layer w10: P5.2 70.47,-1769.53 286.69,-1553.31 MCU*1.1 ; 250,-1592.68 270,-1592.68 ; 259.82,-1582.5 270,-1592.68 ; MCU*1.3 270,-1592.68
PTE1: MCU*1.2
PTE3: MCU*1.4
PTE4: MCU*1.5
PTE5: MCU*1.6
PTE6: MCU*1.7
PTE24: MCU*1.31
PTE25: MCU*1.32
PTE26: MCU*1.33
PWM1: P1.3 P1.4 P10.2 P10.3 R23.2 U1.2 | length 1300.6
  Top Layer w20: U1.2 1145,1055 1163.23,1073.23 R23.2 1843.23,1073.23 1930,1160 P1.3 P1.4
  Bottom Layer w20: v2(1845,1075) 1900.47,1019.53 P10.3 P10.2
PWM2: P1.5 P1.6 P10.4 P10.5 R24.2 U2.2 | length 3005.7
  Top Layer w20: U2.2 1145,260 1165,280 1410,280 1445,245 ; R24.2 1445,225 ; P1.6 P1.5 2030,1245 2370,905 2370,330 2285,245 1465,245 ; 1445,225 1465,245 ; 1445,225 1445,245 ; 1445,245 1465,245
  Bottom Layer w20: P10.5 P10.4 1939.84,1034.84 v2(2090,1185)
RESET: C23.2 JTAG1.10 MCU*1.52 R16.1 S2.2 | length 1262
  Top Layer w10: S2.2@327.05,-2389.53 JTAG1.10 ; MCU*1.52 1036.06,-2006.06 1053.15,-2023.15 v2(1053.15,-2055)
  Bottom Layer w10: v2(370,-2369.53) R16.1 444.53,-2185 680,-2185 705,-2210 1005,-2210 1053.15,-2161.85 v2(1053.15,-2055)
USB0_DM: MCU*1.11
USB0_DP: MCU*1.10
VBAT: CON1.2 S1.0 S1.1
VCC: C2.1 C7.1 D2.2 D6.2 F2.1 IC1.6 P2.1 P2.2 P2.3 P2.4 P6.1 P6.2 P6.3 P6.4 Q1.2 Q3.2 R3.K R25.2 S1.2 | length 1292.7
  Top Layer w30: D6.2 Q3.2@395,-174.53 ; R25.2 1827.24,-126.77 ; 1827.24,-96.77 1827.24,-126.77 ; v2(1965,140) 1965,-59.53 ; P2.2@1995,-89.53 1965,-59.53 ; P2.1 P2.2 1965,-94.53 ; v2(2150,320.35) 2235.35,320.35 2300,385 C7.1 ; 1827.24,-126.77 P2.4 1859.49,-94.53 ; 1827.24,-126.77 1859.49,-94.53 ; 1859.49,-94.53 P2.3 1930,-94.53 ; 1930,-94.53 1965,-59.53 ; 1930,-94.53 1965,-94.53 ; 1965,-94.53 1965,-59.53
  other v1: 395,-144.53 445,-144.53 495,-144.53 545,-144.53 595,-144.53 395,-104.53 445,-104.53 495,-104.53 545,-104.53 595,-104.53 395,-64.53 445,-64.53 495,-64.53 545,-64.53 595,-64.53 395,-24.53 445,-24.53 495,-24.53 545,-24.53 595,-24.53 395,645.47 445,645.47 495,645.47 545,645.47 595,645.47 395,685.47 445,685.47 495,685.47 545,685.47 595,685.47 395,725.47 445,725.47 495,725.47 545,725.47 595,725.47 395,765.47 445,765.47 495,765.47 545,765.47 595,765.47
  other v2: 1905,140 1935,140 2000,140 2030,140 2120,320 2180,320 1940,600 1964.49,600.47 1990,600 -50,735 -50,760 -30,760 -50,785
VREGIN: MCU*1.13
pads on no net: MCU*1.14 MCU*1.15 MCU*1.16 MCU*1.17 MCU*1.18 MCU*1.19 MCU*1.20 MCU*1.21 MCU*1.26 MCU*1.27 MCU*1.28 MCU*1.29 P8.5 P8.6 P10.7 P10.8 P11.10 P11.11 Y1.1

## Polygon pours and split planes (outlines as drawn)
VBAT on Top Layer "Top Layer-No Net" (solid, remove dead copper, pour order 27): 575,1495 1150,1495 1155,1495 1155,1255 575,1255
OUT1 on Top Layer "Top Layer-No Net" (solid, remove dead copper, pour order 29): 180,1230 200,1210 635,1210 635,990 320,990 180,850 150,850 150,1220
OUT2 on Top Layer "Top Layer-No Net" (solid, remove dead copper, pour order 30): 170,450 200,420 635,420 635,200 255,200 165,290
EGND on Top Layer "Top Layer-No Net" (solid, remove dead copper, pour order 32): -140,1495 -140,-250 2420,-250 2420,1495
GND on Top Layer "Top Layer-No Net" (solid, remove dead copper, pour order 23): 1160,-2205 1675,-2205 1675,-2280 1735,-2280 1765,-2280 1775,-2280 1780,-2280 1781.84,-2278.16 1781.84,-2090 1781.84,-2021.84 1775,-2015 1730,-2060 1160,-2060
GND on Top Layer "Top Layer-No Net" (solid, remove dead copper, pour order 20): -180,-1155 -175,-1150 260,-1150 260,-1100 265,-1095 545,-1095 1605.59,-1095 1605.59,-795 1605.59,-790 2350,-790 2350,-2090 1875,-2090 1205,-2090 1205,-2430 1205,-2440 -180,-2440
GND on Top Layer "Top Layer-No Net" (solid, pour order 25): 2350,-2440 2350,-2060 2080,-2060 2080,-2440
K3.3V on Bottom Layer "Top Layer-No Net" (solid, remove dead copper, pour order 22): 430,-1800 540,-1910 640,-1910 645,-1910 785,-1770 765,-1750 760,-1750 750,-1750 645,-1855 615,-1885 575,-1885 565,-1885 495,-1815 455,-1775
K3.3V on Bottom Layer "Top Layer-No Net" (solid, remove dead copper, pour order 18): 710,-1660 635,-1585 540,-1585 535,-1585 495,-1625 525,-1655 530,-1655 570,-1615 600,-1615 615,-1615 685,-1685
K3.3V on Bottom Layer "Top Layer-No Net" (solid, remove dead copper, pour order 17): 685,-1685 865,-1865 865,-1875 905,-1915 905,-1860 905,-1855 710,-1660
VBAT on Bottom Layer "Top Layer-No Net" (solid, remove dead copper, pour order 28): 575,1495 575,1255 1155,1255 1155,1495
EGND on Bottom Layer "Top Layer-No Net" (solid, remove dead copper, pour order 31): -140,1495 2420,1495 2420,-250 -140,-250
GND on Bottom Layer "Top Layer-No Net" (solid, remove dead copper, pour order 19): -180,-1155 -175,-1150 260,-1150 260,-1100 265,-1095 545,-1095 1605.59,-1095 1605.59,-795 1605.59,-790 2350,-790 2350,-2090 1875,-2090 1205,-2090 1205,-2430 1205,-2440 -180,-2440
GND on Bottom Layer "Top Layer-No Net" (solid, remove dead copper, pour order 21): -180,-1220 -180,-790 435,-790 435,-1180 430,-1185
GND on Bottom Layer "Top Layer-No Net" (solid, remove dead copper, pour order 24): 1160,-2205 1675,-2205 1675,-2290 1825,-2290 1825,-2080 1165,-2080 1160,-2075
GND on Bottom Layer "Top Layer-No Net" (solid, pour order 26): 2350,-2440 2080,-2440 2080,-2060 2350,-2060

## Keep-outs
Keep-Out Layer:
  lines w10: -180,-2440 2350,-2440 2350,-790 1605.59,-790 1605.59,-1095 435,-1095 435,-790 -180,-790 -180,-2440 ; -140,-250 -140,1495 2420,1495 2420,-250 -140,-250

## Other copper
Top Layer:
  rectangle net 5V: 1790,-2270 1830,-1875
  rectangle net EGND: 1235,-2425 1645,-2240
  text "武汉理工大学" at 2060,170 h50
  text "袁佳威" at 2215,125 h50
  text "张艳松" at 2060,120 h50
  text "李锐戈" at 2055,70 h50
  text "晨风" at 2055,25 h50
  text "2016" at 2055,-20 h50
  text "2016" at 2260,-1955 h50 r90
  text "袁佳威" at 2210,-1965 h50 r90
  text "晨风" at 2305,-2110 h50 r90
  text "张艳松" at 2210,-2115 h50 r90
  text "李锐戈" at 2260,-2115 h50 r90
  text "武汉理工大学" at 2160,-2125 h50 r90
Bottom Layer:
  rectangle net 5V: 1610,-1850 1650,-1510
  rectangle net K3.3V: 975,-1435 1020,-1220
  rectangle net K3.3V: 455,-1505 1135,-1430
  rectangle net NetF1_2: 1460,-1450 1640,-1385
  rectangle net NetC26_1: 1040,-1585 1510,-1525
  rectangle net NetC19_1: 1875,-2290 1935,-2125
  rectangle net NetC19_1: 1875,-2190 2060,-2125
  rectangle net VCC: 1985,-2425 2065,-2250
  rectangle net VCC: 1675,-2425 2065,-2310
  rectangle net VCC: 1205,340 1335,1480
  rectangle net VCC: 335,595 1215,815
  rectangle net VCC: 335,-195 1215,25
  rectangle net VCC: 1060,-195 1275,610
  rectangle net VCC: 1190,230 2210,350
  rectangle net VCC: 1925,310 2005,610
  rectangle net VCC: 1890,115 2040,280
  rectangle net VCC: -55,720 345,800

## Silkscreen, mask and mechanical layers (free items; w line width, h text height)
Top Overlay:
  text "10K" at 1570,1340.47 h50 r90
  text ">" at 240,1295 h50 r270
  text "10uF" at 1085,1190 h50
  text "D" at 235,1160.47 h50 r270
  text "20R" at 885,1150.47 h50
  text ">" at 225.35,1146.75 h78.74 r270
  text "10K" at 1395,1080.47 h50 r90
  text ">" at 1350,945.47 h50 r270
  text "D" at 1350,905.47 h50 r270
  text ">" at 1350,850.47 h50 r270
  text ">" at -65,845 h50 r270
  text ">" at 1530,775.47 h50 r270
  text "10uF" at 1390,730.47 h50
  text "180R" at 2195,660.47 h50 r90
  text "20R" at 885,620.47 h50
  text "1.5uF" at 1060,620.47 h50
  text "D" at 1540,605.47 h50
  text "10uF" at 2395,490.47 h50 r90
  text ">" at 1530,470.47 h50 r270
  text "470pF" at 1595,470.47 h50
  text "D" at 20.35,451.75 h50 r270
  text ">" at 10.7,438.03 h78.74 r270
  text "10uF" at 1080,405.47 h50
  text "0.22R" at 2170,390.47 h50 r90
  text "20R" at 890,360.47 h50
  text "10K" at 1740,340.47 h50
  text "1.2K" at 1925,340.47 h50
  text ">" at 1350,135.47 h50 r270
  text "10K" at 1520,85.47 h50 r90
  text "D" at 1355,65.47 h50
  text ">" at 1350,45.47 h50 r270
  text "20R" at 890,-24.53 h50
  text ">" at 170,-95 h50 r270
  text "1.5uF" at 1055,-164.53 h50
  text "LED_R" at 1890,-199.53 h50
  text "104" at 2105,-1154.53 h50 r270
  text "1nF" at -70,-1280 h50 r90
  text "LED_W" at 1190,-1295 h50
  text "10uF" at 2195,-1309.53 h50
  text "104" at 280,-1320 h50
  text "10K" at 2000,-1475 h50 r90
  text "10K" at 1755,-1480 h50 r90
  text "4K" at 85,-1484.53 h50 r90
  text "6K" at 85,-1579.53 h50 r90
  text "LED_B" at 35,-2080 h50 r90
  text "0R" at 1620,-2229.53 h50 r90
Bottom Overlay:
  text "10K" at 2265,-1214.53 h50
  text "C" at 740,-1309.53 h50
  text "C" at 625,-1314.53 h50
  text "D" at 1610,-1349.53 h50
  text "D" at 420,-1374.53 h50
  text "C" at 1380,-1374.53 h50
  text "F" at 1490,-1374.53 h50
  text "C" at 1250,-1379.53 h50
  text ">" at 425,-1404.53 h50 r90
  text ">" at 1690,-1474.53 h50 r90
  text "C" at 1715,-1739.53 h50 r180
  text "104" at 185,-1849.53 h50 r90
  text "10K" at 885,-1849.53 h50
  text "10uH" at 185,-1944.53 h50 r90
  text "10uH" at 465,-2009.53 h50
  text "103" at 555,-2009.53 h50
  text "104" at 640,-2009.53 h50
  text "103" at 185,-2059.53 h50 r90
  text "C" at 1660,-2194.53 h50 r180
  text "F" at 2100,-2220 h50
  text "10K" at 245,-2244.53 h50 r90
  text "104" at 1120,-2304.53 h50 r90
  text "104" at 245,-2359.53 h50 r90
Mechanical 15:
  lines w10: -125,-170 2405,-170 2405,1480 1660.59,1480 1660.59,1175 490,1175 490,1480 -125,1480 -125,-170
  text "电源电机焊盘太小" at 2890,1220 h100
  text "斩波电容电感太小" at 2860,970 h100
  text "安装孔径不对" at 2975,805 h100
  text "电容封装太小" at 2885,-335 h100
  text "可以使用大肖特基" at 2700,-524.53 h100

## Text inside footprints (layer, text, board x,y; h text height)
C2: Top Overlay "+" at 1947.49,209.95 h47.24 r180
L1: Top Overlay "+" at 2029.79,1090.93 h78.74 r180
P8: Top Overlay "1" at 2165,-1465 h50 r270; Top Overlay "2" at 2265,-1445 h50 r270; Top Overlay "5" at 2165,-1805 h50 r270; Top Overlay "6" at 2265,-1805 h50 r270